# Altium PCB yard-ice.PcbDoc (part 1 of 3) (continued)
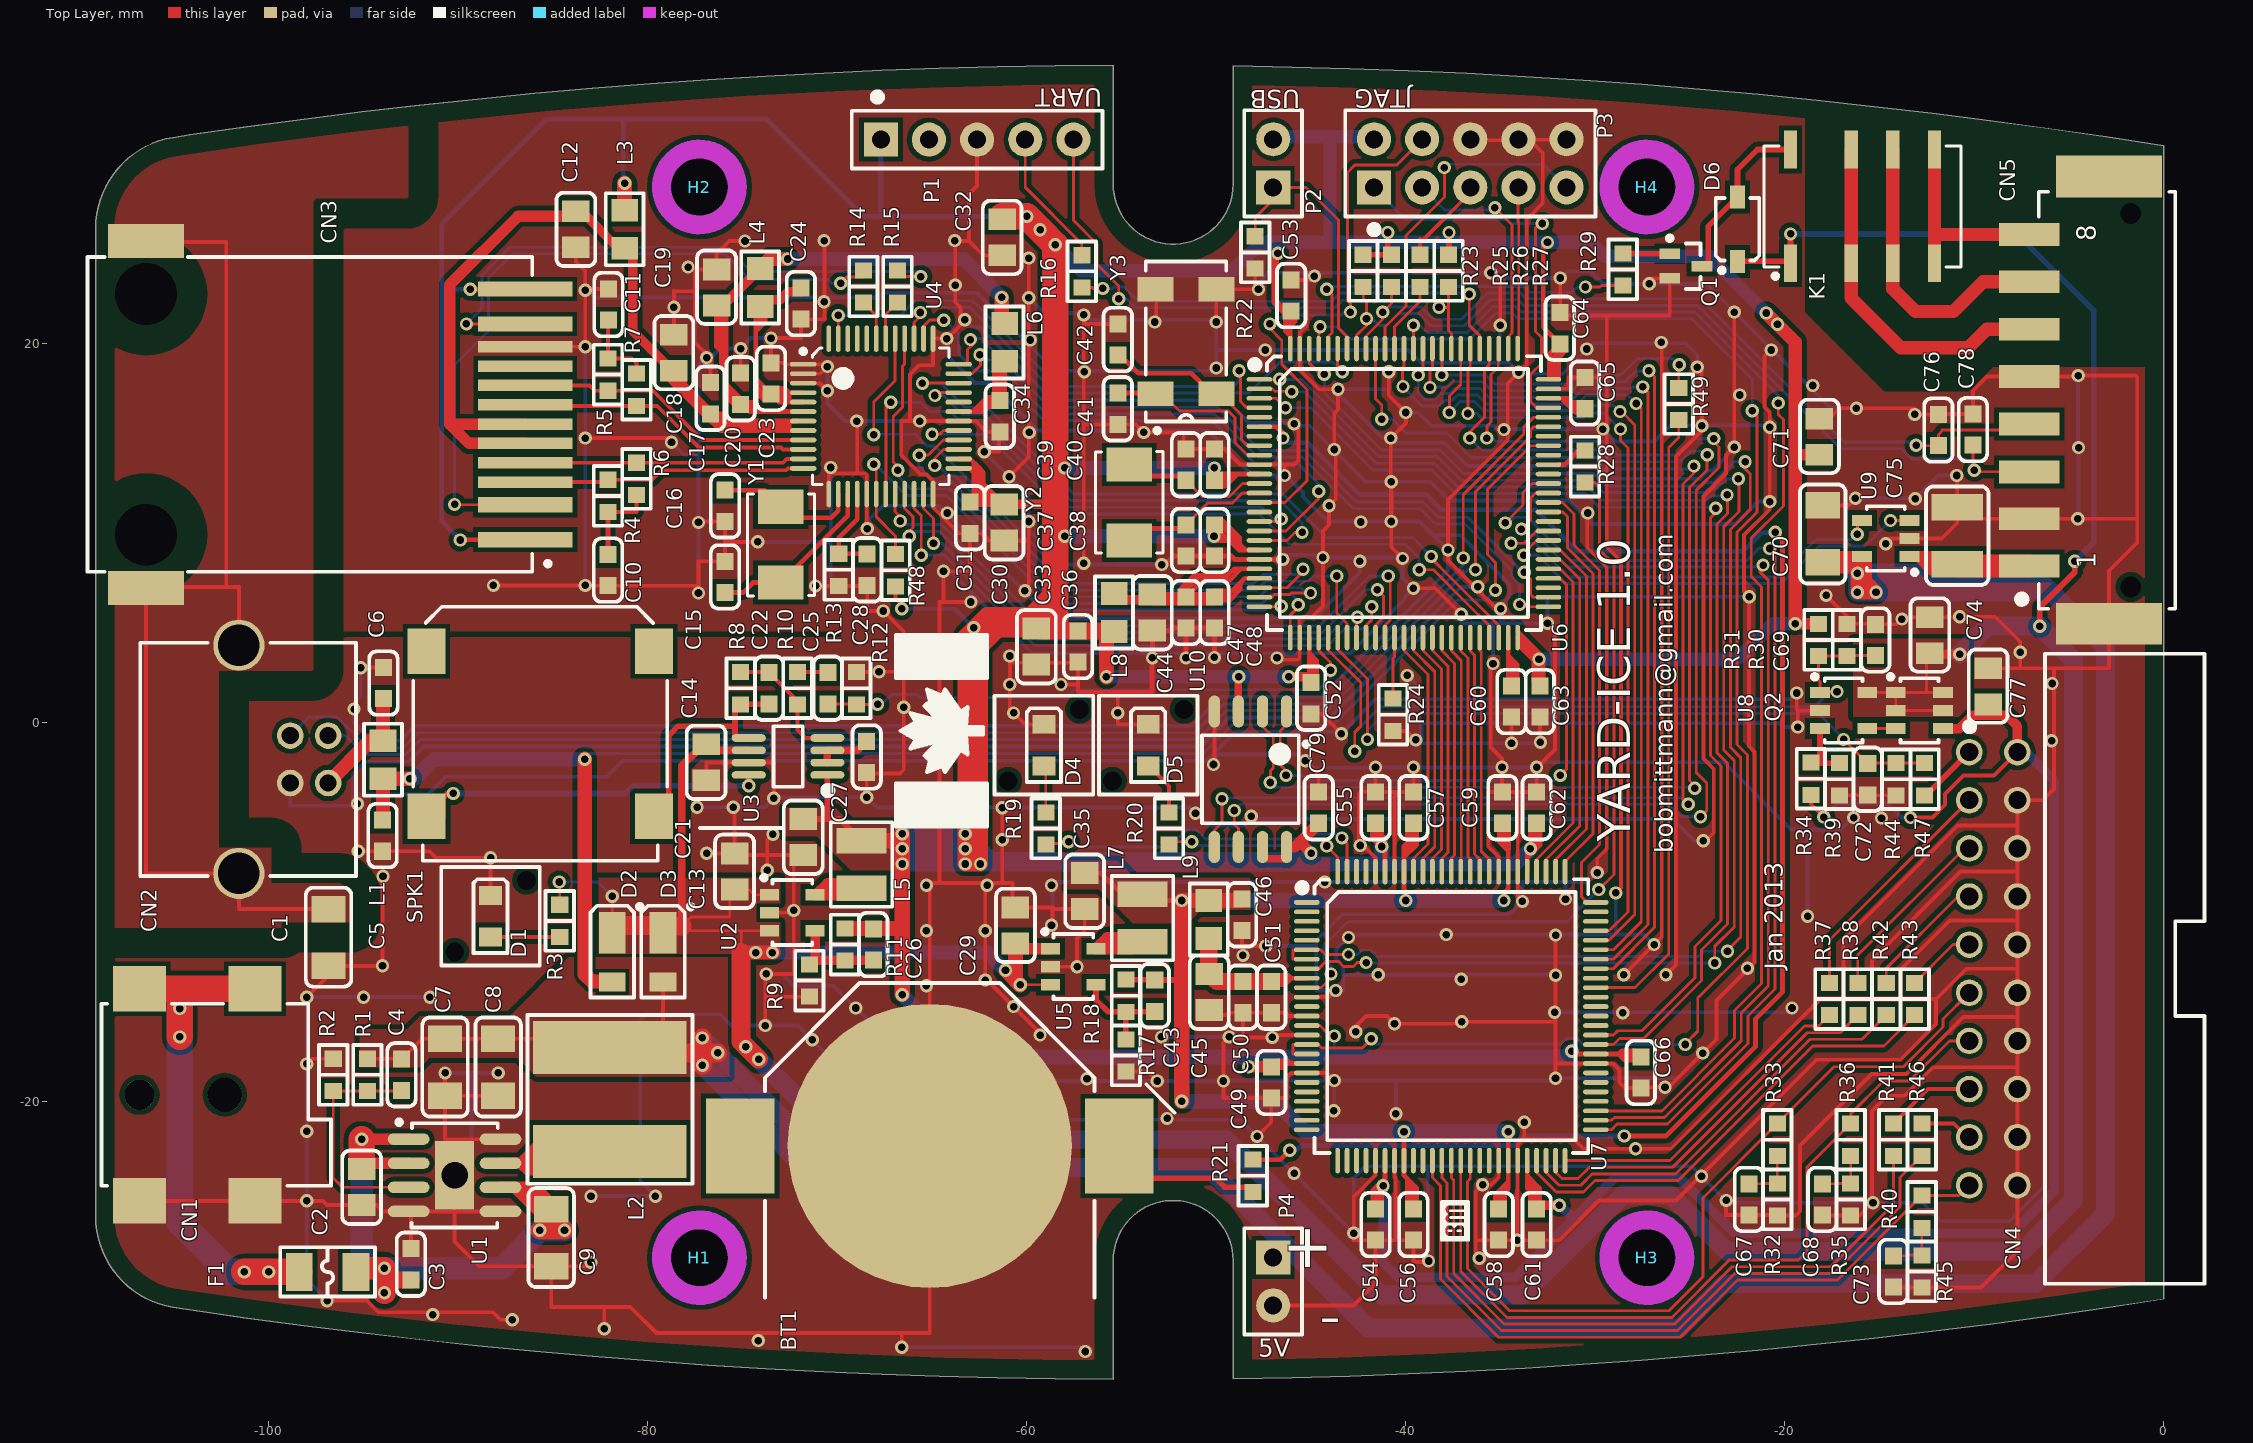
[diagram p0: Top Layer view]
## Footprints (in the part's own frame and the unit in brackets; to place one, negate y for a bottom-side part, rotate by r counter-clockwise, add the part's x,y. Pads: shape width x height; smd on the part's side, far side on the other; paste and mask are expansions set on the pad)
4-1734376 [mm] "USB Conn. Series B, 4P, R/A, THRU HOLE, W/ BACK SHELL"
  round 1.4 hole 0.9: 1(1.25,2.355) 2(-1.25,2.355) 3(-1.25,0.355) 4(1.25,0.355)
  round 2.7 hole 2.2: 5(6.02,-2.355) 6(-6.02,-2.355)
  silkscreen extent -6.15,-7.55 6.15,3.83, body extent -7.55,-12.63 7.55,3.77, height 11.31
48-TQFP [mm] "TSQFP, 48-Leads, Body 9.0x9.0mm (max), Pitch 0.50mm, IPC High Density"
  oval 1.4x0.25 smd: 1(-4.1,2.75) 2(-4.1,2.25) 3(-4.1,1.75) 4(-4.1,1.25) 5(-4.1,0.75) 6(-4.1,0.25) 7(-4.1,-0.25) 8(-4.1,-0.75) 9(-4.1,-1.25) 10(-4.1,-1.75) 11(-4.1,-2.25) 12(-4.1,-2.75) 25(4.1,-2.75) 26(4.1,-2.25) 27(4.1,-1.75) 28(4.1,-1.25) 29(4.1,-0.75) 30(4.1,-0.25) 31(4.1,0.25) 32(4.1,0.75) 33(4.1,1.25) 34(4.1,1.75) 35(4.1,2.25) 36(4.1,2.75)
  oval 0.25x1.4 smd: 13(-2.75,-4.1) 14(-2.25,-4.1) 15(-1.75,-4.1) 16(-1.25,-4.1) 17(-0.75,-4.1) 18(-0.25,-4.1) 19(0.25,-4.1) 20(0.75,-4.1) 21(1.25,-4.1) 22(1.75,-4.1) 23(2.25,-4.1) 24(2.75,-4.1) 37(2.75,4.1) 38(2.25,4.1) 39(1.75,4.1) 40(1.25,4.1) 41(0.75,4.1) 42(0.25,4.1) 43(-0.25,4.1) 44(-0.75,4.1) 45(-1.25,4.1) 46(-1.75,4.1) 47(-2.25,4.1) 48(-2.75,4.1)
  silkscreen extent -4.22,-3.6 3.6,3.6, body extent -4.5,-4.5 4.5,4.5, height 1.58
3012TR [mm] "CR1620 SMD Battery Holder"
  rect 3.6x5 smd: 1(-10,0) 1(10,0)
  round 15 smd paste-7.5 mask-0.3: 2(0,0)
  silkscreen extent -8.7,-8.6 8.7,8, body extent -8,-8 7.94,7.97, height 2
1778829 [mm] "8pos, 2.5mm Wire to Board Connector, Header, SMT, Right Angle"
  round 0 hole 1.1 unplated paste+0: 0(-9.85,-3.75) 0(9.85,-3.75)
  rect 1.2x3.2 smd: 1(-8.75,1.6) 2(-6.25,1.6) 3(-3.79,1.6) 4(-1.25,1.6) 5(1.25,1.6) 6(3.75,1.6) 7(6.25,1.6) 8(8.75,1.6)
  rect 2.2x5.6 smd: 9(-11.8,-2.6) 10(11.8,-2.6)
  silkscreen extent -11,-6.1 11,2.2, body extent -12.8,-6.6 12.8,2.9, height 5
ABM3-H [mm] "Miniature Ceramic SMD Crystal 5.0 X 3.2 X 1.3"
  rect 1.8x2.4 smd: 1(-2,0) 2(2,0)
  silkscreen extent -2.7,-1.78 2.68,1.78, body extent -2.5,-1.6 2.5,1.6, height 1.3
ABS25 [mm] "Low Profile, Heat Resistant Plastic Package"
  rect 1.3x1.9 smd: 1(-2.75,-1.6) 2(2.75,-1.6) 3(2.75,1.6) 4(-2.75,1.6)
  silkscreen extent -4.82,-2.12 4.23,2.12, body extent -4,-1.9 4,1.9, height 2.55
C0603M [mm] "Chip Capacitor, 2-Leads, Body 1.6x0.8mm, IPC Medium Density"
  rect 0.9x0.9 smd: 1(-0.825,0) 2(0.825,0)
  silkscreen extent -1.68,-0.75 1.68,0.75, body extent -0.83,-0.43 0.82,0.43, height 0.85
C0805M [mm] "Chip Capacitor, 2-Leads, Body 2.0x1.3mm, IPC Medium Density"
  rect 1.15x1.45 smd: 1(-0.95,0) 2(0.95,0)
  silkscreen extent -1.92,-1.02 1.95,1.02, body extent -1.07,-0.7 1.07,0.7, height 1.3
C1206M [mm] "Chip Capacitor, 2-Leads, Body 3.2x1.6mm, IPC Medium Density"
  rect 1.4x1.8 smd: 1(-1.5,0) 2(1.5,0)
  silkscreen extent -2.63,-1.2 2.6,1.2, body extent -1.6,-0.8 1.6,0.8, height 1.6
C1210M [mm] "Chip Capacitor, 2-Leads, Body 3.2x2.5mm, IPC Medium Density"
  rect 1.4x2.7 smd: 1(-1.5,0) 2(1.5,0)
  silkscreen extent -2.6,-1.65 2.6,1.65, body extent -1.6,-1.3 1.6,1.3, height 2.2
F1206L [mm] "Chip Fuse 1206 - Low Density"
  rect 1.4x2 smd: 1(-1.5,0) 2(1.5,0)
  silkscreen extent -2.5,-1.3 2.5,1.3, body extent -1.6,-0.8 1.6,0.8, height 0.6
"Hole NP 3.2x5.0x5.0" [mm] "3.2mm Hole Non Plated, 5.0mm Clearance Top and Bottom"
  round 0 hole 3.2 unplated: 0(0,0)
  Top Layer keep-out circle w1: c0,0 r2
  Bottom Layer keep-out circle w1: c0,0 r2
L8.0MMX8.0MM [mm] "Wire Wound Inductor, 2-Leads, Body 6.0x6.0mm"
  rect 2.8x8.1 smd: 1(-2.75,0) 2(2.75,0)
  silkscreen extent -4.45,-4.35 4.45,4.35, body extent -4,-4 4,4, height 4
L0805M [mm] "Chip Inductor, 2-Leads, Body 2.0x1.3mm, IPC Medium Density"
  rect 1.2x1.4 smd: 1(-1,0) 2(1,0)
  silkscreen extent -1.9,-1 1.9,1, body extent -1.07,-0.67 1.07,0.67, height 1
L1210M [mm] "Wire Wound Inductor, 2-Leads, Body 3.2x2.5mm, Medium Density"
  rect 1.35x2.65 smd: 1(-1.25,0) 2(1.25,0)
  silkscreen extent -2.22,-1.63 2.22,1.63, body extent -1.6,-1.25 1.6,1.25, height 1.55
"LED0805L LP" [mm] "Chip LED 0805 - With Light Pipe - Low Density"
  round 0 hole 1 unplated: 0(-1.89,1.89) 0(1.89,-1.89)
  rect 1x1.2 smd: 1(1.1,0) 2(-1.1,0)
  silkscreen extent -2.6,-2.6 2.6,2.6, body extent -1.03,-0.45 1.03,0.45, height 0.83
LQFP100 [mm] "TSQFP, 100-Leads, Body 16.2x16.2mm (max), Pitch 0.50mm, IPC High Density"
  oval 1.35x0.25 smd: 1(-7.625,6) 2(-7.625,5.5) 3(-7.625,5) 4(-7.625,4.5) 5(-7.625,4) 6(-7.625,3.5) 7(-7.625,3) 8(-7.625,2.5) 9(-7.625,2) 10(-7.625,1.5) 11(-7.625,1) 12(-7.625,0.5) 13(-7.625,0) 14(-7.625,-0.5) 15(-7.625,-1) 16(-7.625,-1.5) 17(-7.625,-2) 18(-7.625,-2.5) 19(-7.625,-3) 20(-7.625,-3.5) 21(-7.625,-4) 22(-7.625,-4.5) 23(-7.625,-5) 24(-7.625,-5.5) 25(-7.625,-6) 51(7.625,-6) 52(7.625,-5.5) 53(7.625,-5) 54(7.625,-4.5) 55(7.625,-4) 56(7.625,-3.5) 57(7.625,-3) 58(7.625,-2.5) 59(7.625,-2) 60(7.625,-1.5) 61(7.625,-1) 62(7.625,-0.5) 63(7.625,0) 64(7.625,0.5) 65(7.625,1) 66(7.625,1.5) 67(7.625,2) 68(7.625,2.5) 69(7.625,3) 70(7.625,3.5) 71(7.625,4) 72(7.625,4.5) 73(7.625,5) 74(7.625,5.5) 75(7.625,6)
  oval 0.25x1.35 smd: 26(-6,-7.625) 27(-5.5,-7.625) 28(-5,-7.625) 29(-4.5,-7.625) 30(-4,-7.625) 31(-3.5,-7.625) 32(-3,-7.625) 33(-2.5,-7.625) 34(-2,-7.625) 35(-1.5,-7.625) 36(-1,-7.625) 37(-0.5,-7.625) 38(0,-7.625) 39(0.5,-7.625) 40(1,-7.625) 41(1.5,-7.625) 42(2,-7.625) 43(2.5,-7.625) 44(3,-7.625) 45(3.5,-7.625) 46(4,-7.625) 47(4.5,-7.625) 48(5,-7.625) 49(5.5,-7.625) 50(6,-7.625) 76(6,7.625) 77(5.5,7.625) 78(5,7.625) 79(4.5,7.625) 80(4,7.625) 81(3.5,7.625) 82(3,7.625) 83(2.5,7.625) 84(2,7.625) 85(1.5,7.625) 86(1,7.625) 87(0.5,7.625) 88(0,7.625) 89(-0.5,7.625) 90(-1,7.625) 91(-1.5,7.625) 92(-2,7.625) 93(-2.5,7.625) 94(-3,7.625) 95(-3.5,7.625) 96(-4,7.625) 97(-4.5,7.625) 98(-5,7.625) 99(-5.5,7.625) 100(-6,7.625)
  silkscreen extent -8.07,-7.22 7.22,7.22, body extent -8,-8 8,8, height 1.61
MiniSO-8M [mm] "TSOP, 8-Leads, Body 3.2x3.1mm (max), Pitch 0.65mm, IPC Medium Density"
  oval 1.8x0.4 smd: 1(-2.075,0.975) 2(-2.075,0.325) 3(-2.075,-0.325) 4(-2.075,-0.975) 5(2.075,-0.975) 6(2.075,-0.325) 7(2.075,0.325) 8(2.075,0.975)
  silkscreen extent -2.3,-1.6 0.77,2, body extent -2.48,-1.6 2.48,1.6, height 1.1
MOD-J3 [mm] "Modular Jack, Right Angle, Fully Shielded, True SMT"
  round 0 hole 3.27 unplated: 0(-6.35,0) 0(6.35,0)
  rect 0.8x5 smd: 1(6.61,20) 2(4.77,20) 11(-4.77,20) 12(-6.61,20)
  rect 0.6x5 smd: 3(3.57,20) 4(2.55,20) 5(1.53,20) 6(0.51,20) 7(-0.51,20) 8(-1.53,20) 9(-2.55,20) 10(-3.57,20)
  rect 1.8x4 smd: 13(-9.15,0) 13(9.15,0)
  silkscreen extent -8.3,-3.1 8.3,21.32, body extent -8.05,-5.28 8.05,20.12, height 13.61
PJ-002A-SMT [mm] "2.0mm Surface Mount Power Jack"
  round 1.6 hole 1.6 unplated: 0(5,0)
  round 1.8 hole 1.8 unplated: 0(9.5,0)
  rect 2.8x2.4 smd: 1(5,5.6) 1(11.1,5.6) 2(5,-5.6) 3(11.1,-5.6)
  silkscreen extent 3,-4.8 15.1,4.8, body extent 0,-6.3 14.8,6.3, height 11.22
"PowerDI 123" [mm] "Molded Diode, 2-Leads"
  rect 1x1.4 smd: 1(1.6,0)
  rect 2.2x1.4 smd: 2(-1,0)
  silkscreen extent -2.5,-1.15 2.42,1.58, body extent -1.95,-0.96 1.95,0.96, height 1.02
PowerSO-8 [mm] "SOP 8 - Exposed Pad"
  oval 2.2x0.6 smd: 1(-2.425,1.905) 2(-2.425,0.635) 3(-2.425,-0.635) 4(-2.425,-1.905) 5(2.425,-1.905) 6(2.425,-0.635) 7(2.425,0.635) 8(2.425,1.905)
  rect 2.05x3.6 smd: 9(0,0)
  silkscreen extent -3.05,-2.75 2.27,2.92, body extent -2.9,-2.4 2.9,2.4, height 1.75
R0603M [mm] "Chip Resistor, 2-Leads, Body 1.6x0.8mm, IPC Medium Density"
  rect 0.85x0.9 smd: 1(-0.85,0) 2(0.85,0)
  silkscreen extent -1.58,-0.75 1.58,0.75, body extent -0.8,-0.4 0.8,0.4, height 0.45
Relay-10X6 [mm] "Relay 10mm X 6mm SMT Gull wings"
  rect 2x0.7 smd: 1(3,-3.8) 2(3,-0.6) 3(3,1.6) 4(3,3.8) 5(-3,3.8) 6(-3,1.6) 7(-3,-0.6) 8(-3,-3.8)
  silkscreen extent -3.2,-5.2 3.8,5.2, body extent -3.76,-5 3.76,5, height 5.65
SMS-1308MS-R [mm] "Loudspeaker 13mm X 13mm SMT"
  rect 2x2.4 smd: 0(-6,4.35) 0(6,4.35) 1(-6,-4.35) 2(6,-4.35)
  silkscreen extent -6.7,-6.7 6.7,6.7, body extent -6.5,-6.5 6.5,6.5, height 4
SOD-123 [mm] "Molded Diode, 2-Leads"
  rect 1.2x0.8 smd: 1(1.7,0) 2(-1.7,0)
  silkscreen extent -2.3,-1.15 1.65,1.15, body extent -1.92,-0.85 1.92,0.85, height 1.44
SOP2-8 [mm] "SOIC, 8-Leads, Body 5.1x5.1mm (max), Pitch 1.27mm, IPC Medium Density"
  oval 1.7x0.6 smd: 1(-3.575,1.905) 2(-3.575,0.635) 3(-3.575,-0.635) 4(-3.575,-1.905) 5(3.575,-1.905) 6(3.575,-0.635) 7(3.575,0.635) 8(3.575,1.905)
  silkscreen extent -2.32,-2.55 2.33,3.08, body extent -4.1,-2.7 4.1,2.7, height 2.1
SOT-25 [mm] "5-Lead Plastic Small Outline Transistor - Medium Density"
  rect 1.05x0.6 smd: 1(-1.25,0.95) 2(-1.25,0) 3(-1.25,-0.95) 4(1.25,-0.95) 5(1.25,0.95)
  silkscreen extent -1.65,-1.7 1,1.9, body extent -1.25,-1.5 1.25,1.5, height 1.09
SOT-26 [mm] "6-Lead Plastic Small Outline Transistor"
  rect 1.05x0.6 smd: 1(-1.25,0.95) 2(-1.25,0) 3(-1.25,-0.95) 4(1.25,-0.95) 5(1.25,0) 6(1.25,0.95)
  silkscreen extent -1.65,-1.7 1,1.9, body extent -1.17,-1.46 1.17,1.46, height 1
SOT-323 [mm] "SC-70/SOT323"
  rect 1.1x0.55 smd: 1(-0.85,0.65) 2(-0.85,-0.65) 3(0.85,0)
  silkscreen extent -0.97,-1.2 0.77,1.6, body extent -1.13,-1.12 1.12,1.12, height 1.13
TQFP-100 [mm] "TSQFP, 100-Leads, Body 16.2x16.2mm (max), Pitch 0.50mm, IPC High Density"
  oval 1.35x0.25 smd: 1(-7.625,6) 2(-7.625,5.5) 3(-7.625,5) 4(-7.625,4.5) 5(-7.625,4) 6(-7.625,3.5) 7(-7.625,3) 8(-7.625,2.5) 9(-7.625,2) 10(-7.625,1.5) 11(-7.625,1) 12(-7.625,0.5) 13(-7.625,0) 14(-7.625,-0.5) 15(-7.625,-1) 16(-7.625,-1.5) 17(-7.625,-2) 18(-7.625,-2.5) 19(-7.625,-3) 20(-7.625,-3.5) 21(-7.625,-4) 22(-7.625,-4.5) 23(-7.625,-5) 24(-7.625,-5.5) 25(-7.625,-6) 51(7.625,-6) 52(7.625,-5.5) 53(7.625,-5) 54(7.625,-4.5) 55(7.625,-4) 56(7.625,-3.5) 57(7.625,-3) 58(7.625,-2.5) 59(7.625,-2) 60(7.625,-1.5) 61(7.625,-1) 62(7.625,-0.5) 63(7.625,0) 64(7.625,0.5) 65(7.625,1) 66(7.625,1.5) 67(7.625,2) 68(7.625,2.5) 69(7.625,3) 70(7.625,3.5) 71(7.625,4) 72(7.625,4.5) 73(7.625,5) 74(7.625,5.5) 75(7.625,6)
  oval 0.25x1.35 smd: 26(-6,-7.625) 27(-5.5,-7.625) 28(-5,-7.625) 29(-4.5,-7.625) 30(-4,-7.625) 31(-3.5,-7.625) 32(-3,-7.625) 33(-2.5,-7.625) 34(-2,-7.625) 35(-1.5,-7.625) 36(-1,-7.625) 37(-0.5,-7.625) 38(0,-7.625) 39(0.5,-7.625) 40(1,-7.625) 41(1.5,-7.625) 42(2,-7.625) 43(2.5,-7.625) 44(3,-7.625) 45(3.5,-7.625) 46(4,-7.625) 47(4.5,-7.625) 48(5,-7.625) 49(5.5,-7.625) 50(6,-7.625) 76(6,7.625) 77(5.5,7.625) 78(5,7.625) 79(4.5,7.625) 80(4,7.625) 81(3.5,7.625) 82(3,7.625) 83(2.5,7.625) 84(2,7.625) 85(1.5,7.625) 86(1,7.625) 87(0.5,7.625) 88(0,7.625) 89(-0.5,7.625) 90(-1,7.625) 91(-1.5,7.625) 92(-2,7.625) 93(-2.5,7.625) 94(-3,7.625) 95(-3.5,7.625) 96(-4,7.625) 97(-4.5,7.625) 98(-5,7.625) 99(-5.5,7.625) 100(-6,7.625)
  silkscreen extent -8.07,-7.22 7.22,7.22, body extent -8,-8 8,8, height 1.61
TSOP-5 [mm] "SOT23, 5-Leads, Body 3.0x3.0mm (max), Pitch 0.95mm, IPC High Density"
  rect 1x0.6 smd: 1(-1.2,0.95) 2(-1.2,0) 3(-1.2,-0.95) 4(1.2,-0.95) 5(1.2,0.95)
  silkscreen extent -1.62,-1.7 1.05,1.97, body extent -1.25,-1.5 1.25,1.5, height 1.09
TST-110-04-G-D-RA [mm] "SHROUDED  .025\"  SQ  POST HEADER 2.54mm 2x5"
  round 1.4 hole 0.95: 1(-1.27,11.43) 2(1.27,11.43) 3(-1.27,8.89) 4(1.27,8.89) 5(-1.27,6.35) 6(1.27,6.35) 7(-1.27,3.81) 8(1.27,3.81) 9(-1.27,1.27) 10(1.27,1.27) 11(-1.27,-1.27) 12(1.27,-1.27) 13(-1.27,-3.81) 14(1.27,-3.81) 15(-1.27,-6.35) 16(1.27,-6.35) 17(-1.27,-8.89) 18(1.27,-8.89) 19(-1.27,-11.43) 20(1.27,-11.43)
  silkscreen extent -1.45,-16.63 11.15,16.63, body extent -1.6,-16.51 11.04,16.51, height 9.52
TSW-102-07-G-S [mm] ".025\"  SQ  POST HEADER 2.54mm 2x1"
  rect 1.8x1.8 hole 0.95: 1(-1.27,0)
  round 1.8 hole 0.95: 2(1.27,0)
  silkscreen extent -2.8,-1.53 2.8,1.53, body extent -2.54,-1.27 2.54,1.27, height 8.38
TSW-105-07-G-D [mm] ".025\"  SQ  POST HEADER 2.54mm 2x5"
  rect 1.8x1.8 hole 0.95: 1(-1.27,5.08)
  round 1.8 hole 0.95: 2(1.27,5.08) 3(-1.27,2.54) 4(1.27,2.54) 5(-1.27,0) 6(1.27,0) 7(-1.27,-2.54) 8(1.27,-2.54) 9(-1.27,-5.08) 10(1.27,-5.08)
  silkscreen extent -3.7,-6.6 2.8,6.6, body extent -2.54,-6.35 2.54,6.35, height 8.38
TSW-105-07-G-S [mm] ".025\"  SQ  POST HEADER 2.54mm 5 Positions"
  rect 1.8x1.8 hole 0.95: 1(-5.08,0)
  round 1.8 hole 0.95: 2(-2.54,0) 3(0,0) 4(2.54,0) 5(5.08,0)
  silkscreen extent -6.61,-1.53 6.61,2.45, body extent -6.35,-1.27 6.35,1.27, height 8.38

## Part data
BT1: library part 3012TR, "CR1620 SMD Battery Holder"
C1: library part C1206, "SMD Ceramic Chip Capacitor - 1206"
C2 C12 C13 C14 C18 C19 C21 C29 C30 C32 C33 C35 C44 C45 C71 C74 C77: library part C0805, "SMD Ceramic Chip Capacitor - 0805 - X7R"
C3 C5 C6 C10 C11 C17 C20 C23 C24 C25 C27 C31 C34 C36 C38 C40 C46 C47 C48 C49 C50 C51 C52 C53 C54 C55 C56 C57 C58 C59 C60 C61 C62 C63 C64 C65 C66 C72 C79: library part C0603, "SMD Ceramic Chip Capacitor - 0603 - X7R"
C4 C15 C16 C22 C26 C28 C37 C39 C41 C42 C43 C67 C68 C69 C73 C76 C78: library part C0603, "SMD Ceramic Chip Capacitor - 0603"
C7 C8 C9 C70: library part C1206, "SMD Ceramic Chip Capacitor - 1206 - X7R"
C75: library part C12010, "SMD Ceramic Chip Capacitor - 1210 - X7R"
CN1: library part PJ-002A-SMT, "Low Voltage Power Supply Connector"
CN2: library part 4-1734376, "USB Type B - Right Angle - Thru Hole"
CN3: library part J3011G21DNL, "10/100Base-TX surface mount RJ45"
CN4: library part "Header 10X2", "Shrouded Header, 20 Pos, Right Angle"
CN5: library part "Combicon SMT 8", "Terminal Block, Header, 8-Pos"
D1 D4 D5: library part LED0805LP, "LED SMD 0805"
D2 D3: library part SBR3U30P1, "Super Barrier Rectifier"
D6: library part 1N4148W, "Schottky Barrier Diode"
F1: library part F1206, "SMD Fuse, 1A, Slow, 63VDC, 1206"
K1: library part Relay-DPDT, "Dual-Pole Dual-Throw Relay"
L1: library part L0805, "SMD Chip Inductor - 0805"
L2: library part L8.0X8.0, "SMT Power Inductor 8.0X8.0mm"
L3 L4 L6 L8 L9: library part L0805, "SMD Ferrite Bead 0805"
L5 L7: library part L1210, "SMD Wire Wound Inductor -  1210 (3225 metric)"
P1: library part "Header 5", "Header, 5-Pin"
P2 P4: library part "Header 2", "Header, 2-Pin"
P3: library part "Header 5X2", "Socket 5-Pin, Dual row"
Q1: library part BC847CW, "NPN General-purpose Transistor"
Q2: library part PMN34UN,135, "N-Channel MOSFET 30V 4.9A 6TSOP"
R1 R2 R3 R4 R5 R6 R7 R8 R9 R10 R11 R12 R13 R14 R15 R16 R17 R18 R19 R20 R21 R22 R23 R24 R25 R26 R27 R28 R29 R30 R31 R32 R33 R34 R35 R36 R37 R38 R39 R40 R41 R42 R43 R44 R45 R46 R47 R48 R49: library part R0603, "SMD Chip Resistor - 0603"
SPK1: library part SMS-1308MS-R, "Loudspeaker"
U1: library part ST1S10, "3A, 900kHZ, monolithic synchronous step-down regulator"
U2 U5: library part NCP1521BSNT1G, "1.5 MHz, 600 mA Step-Down  DC-DC Converter"
U3: library part TS4990IST, "1.2 W audio power amplifier with active-low standby mode"
U4: library part KSZ8041TL, "10Base-T/100Base-TX Physical Layer Transceiver"
U6: library part STM32F407VET6
U7: library part EP1C3T100C8N, "Cyclone FPGA"
U8: library part LMV321WG-7, "General Purpose, Low Voltage, Rail-to-Rail Output Operational Amplifier"
U9: library part AP2171W, "1A SINGLE CHANNEL CURRENT-LIMITED POWER  SWITCH"
U10: library part N25Q128A13ESE40G, "128Mb, 3V, Serial Flash Memory"
Y1 Y2: library part ABM3, "Miniature Ceramic SMD Crystal"
Y3: library part ABS25, "SMD Low Frequency Crystal"

## Via types
v1: diameter 0.7, hole 0.4, Top Layer to Bottom Layer, 444 vias
v2: diameter 1.8, hole 1.4, Top Layer to Bottom Layer, tented top, 1 vias

## Nets (pads, with @x,y where several pads share a name; then routed paths per layer and width w, separated by ;. In a path a pad name is that pad's centre, name@x,y a point inside that pad or via, vN(x,y) a via of type N, cw(c..) or ccw(c..) an arc to the next point about the centre after c; other vN are vias at no path point)
+12V: C2.1 C3.1 C9.1 F1.2 U1.1 U1.2 U1.6 | length 38.9
  Top Layer w0.6: C2.1@-95.085,-23.265 U1.2@-92.625,-23.265 ; v1@-95.005,-21.995 U1.1@-92.625,-21.995 ; U1.6@-87.775,-24.535 -86.45,-24.535 -86.45,-24.525 -86.175,-24.8 ; U1.6@-86.975,-24.6 -85.575,-26 C9.1@-85.275,-25.7 ; C9.1@-85.1,-25.7 C9.1@-85.275,-25.7 ; C9.1@-85,-25.5 -85.7,-24.8 -86.175,-24.8 ; -86.175,-24.8 C9.1@-85.275,-25.7
  Top Layer w0.75: -93.9,-29.4 -93.875,-29.425
  Top Layer w0.9: -93.875,-29.425 C3.1@-92.5,-29.425
  Top Layer w1: v1(-85.7,-26.8) -85.2,-26.8 ; C9.1@-85.1,-25.7 -85.2,-25.8 -85.2,-26.8 ; v1(-84.4,-26.8) -85.2,-26.8
  Top Layer w1.2: F1.2@-95.2,-28.8 v1(-93.9,-28.8) -93.9,-29.4 v1(-93.9,-30.1)
  Top Layer w1.4: C2.1@-95.1,-23.25 v1(-95.1,-21.995)
  Bottom Layer w1.2: v1(-95.1,-21.995) -95.1,-28.2 -94.5,-28.8 v1(-93.9,-28.8) ; v1(-93.9,-30.1) v1(-93.9,-28.8) ; v1(-84.4,-26.8) v1(-85.7,-26.8) -87.7,-28.8 v1(-93.9,-28.8)
ADC12_IN6: C72.1 R44.1 R47.2 U6.31 | length 37.4
  Top Layer w0.15: U6.31@-43.6,4.475 -43.6,3.859 -42.027,2.286 v1(-42.027,-0.9) ; v1(-16.9,-0.9) C72.1@-15.625,-2.175 -15.45,-2.175 -15.425,-2.15 R47.2@-12.625,-2.15
  Bottom Layer w0.15: v1(-42.027,-0.9) -42.027,-0.427 -41.125,0.475 -18.28,0.475 -18.255,0.5 -18.25,0.5 v1@-16.875,-0.875
ADC123_IN10: U6.15
BOOT0: P2.1 R22.2 U6.94 | length 14.1
  Top Layer w0.15: R22.2@-47.95,25.65 -47.95,26.65 -47,27.6 P2.1@-47,28.23 -45.275,28.23 -43.55,26.505 -43.55,20.8 -43.1,20.35 U6.94@-43.1,19.725
BOOT1: R24.2 U6.37 | length 3.3
  Top Layer w0.15: R24.2@-40.675,1.25 -40.675,3.375 -40.6,3.45 U6.37@-40.6,4.475
DAC1_OUT: C25.1 R12.2 U6.29 | length 29.7
  Top Layer w0.15: C25.1@-70.5,0.975 -69.025,0.975 R12.2@-69,0.95 v1@-67.9,0.95 ; U6.29@-44.6,4.475 -44.6,3.775 -43.977,3.152 v1(-43.977,2.75)
  Bottom Layer w0.15: v1@-67.925,0.95 -67.675,0.95 -67.15,1.475 -65.775,1.475 -65.6,1.3 -57.925,1.3 -57.5,1.725 -44.611,1.725 -43.975,2.361 -43.975,2.75 v1(-43.977,2.75)
  other v1: -67.875,0.95
DAC2_OUT: C69.1 R30.2 R31.1 U6.30 U8.1 | length 40.1
  Top Layer w0.15: U6.30@-44.1,4.475 -44.1,3.825 -42.377,2.102 -42.377,-0.202 -42.7,-0.525 v1(-42.7,-1.525) ; v1(-17.25,1.625) -17.3,1.575 U8.1@-18.15,1.575 -18.15,2.15 -18.225,2.225 R31.1@-18.225,3.5 R30.2@-16.725,3.5 -16.7,3.525 C69.1@-15.225,3.525
  Bottom Layer w0.15: v1(-42.7,-1.525) -42.7,-0.525 -41.35,0.825 -18.425,0.825 -17.625,1.625 v1(-17.25,1.625)
DBGACK/RX: CN4.19 R40.1 U7.36 | length 38.6
  Top Layer w0.15: U7.36@-38.6,-23.125 -38.6,-24.025 -38.175,-24.45 -38.175,-29.38 -35.106,-32.449 -25.524,-32.449 -22.5,-29.425 -17.225,-29.425 R40.1@-12.775,-24.975 ; R40.1@-12.425,-24.975 -10.815,-24.975 CN4.19@-10.27,-24.43
DBGRQ/TX: CN4.17 R46.1 | length 2.8
  Top Layer w0.2: R46.1@-12.775,-21.175 -11.09,-21.175 -10.375,-21.89 CN4.17@-10.27,-21.89
ETH_1.8: C19.1 C20.1 L4.2 L6.2 U4.6 | length 36.7
  Top Layer w0.25: C19.1@-76.35,21.775 -76.375,21.75 -76.375,19.825 -76.125,19.575 ; C19.1@-76.025,22 C19.1@-76.375,22 -76.125,21.75 -76.125,19.575 ; -75.9,19.35 -76.125,19.575 ; C19.1@-75.9,22 -75.875,21.975 -75.875,18.7 ; C20.1@-75.4,16.7 -75.875,17.175 -75.875,17.5 ; C20.1@-75.275,16.9 -75.875,17.5 ; C20.1@-74.925,16.875 -74.425,16.875 -73.95,16.4 U4.6@-71.8,16.4 ; -74.563,16.688 -74.275,16.4 -74.025,16.4 ; -74.35,16.4 -74.625,16.4 -75.1,16.875 -75.1,17.065 -75.875,17.84 ; -76.125,19.575 -76.125,18.95 -75.875,18.7 ; -75.875,17.5 -75.875,17.84 ; -75.875,17.84 -75.875,18.7
  Top Layer w0.5: C19.1@-76.025,22 L4.2@-74.075,23.95
  Top Layer w0.75: L4.2@-74.075,23.95 -73.575,24.45 v1(-72.625,24.45) ; L6.2@-61.325,21.375 v1(-61.325,22.425)
  Bottom Layer w0.75: v1(-72.625,24.45) -63.35,24.45 v1(-61.325,22.425)
ETH_1.8A: C23.1 C24.1 L4.1 U4.4 U4.5 | length 17.2
  Top Layer w0.25: L4.1@-74.3,21.725 -74.3,20.975 ; L4.1@-74.05,21.625 -74.05,21.225 -74.3,20.975 ; C23.1@-73.85,17 -74.3,17.45 -74.3,17.775 ; L4.1@-73.8,21.6 -73.8,21.15 -74.3,20.65 ; C23.1@-73.675,17.15 -74.3,17.775 ; C23.1@-73.475,17.125 C23.1@-73.3,17.125 ; C23.1@-73.45,17.625 -72.775,17.625 -72.55,17.4 ; C23.1@-73.375,17.375 -72.8,17.375 -72.55,17.125 ; U4.5@-71.8,16.9 -72.55,16.9 ; U4.4@-71.8,17.4 -72.55,17.4 ; -74.3,17.775 -74.3,18.125 ; -74.3,18.125 -74.3,20.65 ; -74.3,18.125 C23.1@-73.5,17.325 C23.1@-73.3,17.125 ; -74.3,20.65 -74.3,20.975 ; C23.1@-73.3,17.125 -73.075,16.9 -72.55,16.9 ; C23.1@-73.3,17.125 -72.775,17.125 -72.55,16.9 ; -72.55,16.9 -72.55,17.125 ; -72.55,17.125 -72.55,17.4
  Top Layer w0.5: L4.1@-74.075,22.3 -73.025,22.3 -72.6,22.725 C24.1@-71.925,22.725
ETH_1.8D: C34.1 L6.1 U4.31 | length 8.1
  Top Layer w0.25: U4.31@-63.6,16.4 -62.85,16.4 ; C34.1@-61.275,16.975 C34.1@-61.275,17.15 ; C34.1@-61.225,17.15 C34.1@-61.275,17.15 ; C34.1@-61.2,16.65 -62.025,16.65 -62.275,16.4 -62.575,16.4 ; C34.1@-61.2,16.9 -62.075,16.9 -62.575,16.4 ; -62.85,16.4 -62.1,17.15 C34.1@-61.275,17.15 ; -62.85,16.4 -62.575,16.4
  Top Layer w0.8: C34.1@-61.45,17.15 L6.1@-61.45,19.05
ETH_3.3A: C12.1 C17.1 C18.1 CN3.5 CN3.6 L3.2 U4.7 U4.8 | length 70.6
  Top Layer w0.25: C12.1@-83.8,26.975 -83.675,26.975 -81.725,25.025 L3.2@-81.4,25.025 ; C12.1@-83.525,27.15 L3.2@-81.4,25.025 ; L3.2@-80.925,24.625 -80.925,20.6 -78.875,18.55 C18.1@-78.625,18.55 ; C18.1@-78.95,18.125 -77.1,16.275 C17.1@-76.8,16.275 ; C18.1@-78.625,18.65 -80.675,20.7 -80.675,24.475 L3.2@-81.225,25.025 L3.2@-81.4,25.025 ; -78.525,17.7 C18.1@-78.525,18.275 ; C18.1@-78.275,18.45 -78.275,17.75 C17.1@-76.8,16.275 ; C18.1@-78.05,18.8 -78.05,17.85 -76.7,16.5 C17.1@-76.7,16.275 ; C17.1@-76.65,15.9 -75.6,15.9 ; C17.1@-76.45,16.075 -75.8,16.075 ; -72.625,15.65 -76.425,15.65 ; U4.7@-72.4,15.9 -72.55,15.9 ; U4.7@-72.375,15.9 U4.7@-72.125,15.9 ; U4.8@-71.8,15.4 -72.375,15.4 -72.55,15.4 ; C17.1@-76.8,16.275 C17.1@-76.7,16.275 ; C17.1@-76.7,16.275 -76.7,15.925 -76.425,15.65 ; C17.1@-76.7,16.275 -75.975,16.275 -75.6,15.9 ; -76.425,15.65 -76.175,15.4 -73.65,15.4 -72.55,15.4 ; -75.6,15.9 -72.55,15.9 ; -72.55,15.4 -72.55,15.9
  Top Layer w0.6: CN3.5@-86.475,14.72 -89.43,14.72 -90.45,15.74 ; CN3.6@-86.475,15.74 -90.45,15.74 ; C12.1@-83.8,26.975 -84.075,26.7 -86.85,26.7 -90.45,23.1 -90.45,15.74
ETH_MDC: U4.19 U6.16 | length 29.3
  Top Layer w0.15: U4.19@-67.45,12.05 -67.428,12.072 -67.428,16.644 v1(-67.185,16.888) ; U6.16@-47.725,10.6 -46.703,10.6 v1(-46.577,10.726)
  Bottom Layer w0.15: v1(-67.185,16.888) -65.613,16.888 -65.125,16.4 -64.04,16.4 -63.565,15.925 -62.39,15.925 -57.815,11.35 -47.605,11.35 -46.981,10.726 v1(-46.577,10.726)
ETH_MDIO: R48.1 U4.18 U6.25 | length 31.4
  Top Layer w0.15: v1(-68.075,13.625) -68.075,13.679 -68.053,13.701 -67.95,13.597 U4.18@-67.95,12.05 -67.95,10.85 -66.925,9.825 R48.1@-66.925,8.875 ; U6.25@-47.725,6.1 -46.6,6.1 v1(-46.575,6.125)
  Bottom Layer w0.15: v1(-68.075,13.625) -68.075,13.679 -68.053,13.701 -68.053,13.667 -66.361,11.975 -64.241,11.975 -58.191,5.925 -47.435,5.925 -47.235,6.125 v1(-46.575,6.125)
ETH_MII_COL: U4.40 U6.26 | length 34
  Top Layer w0.15: v1@-66.825,13.3 -66.825,13.516 -67.05,13.741 -67.05,16.139 -66.56,16.629 -66.56,18.79 -66.45,18.9 U4.40@-66.45,20.25 ; v1@-66.824,13.301 v1(-66.803,13.301) ; U6.26@-46.1,4.475 -46.1,5.65 -45.675,6.075 v1(-45.675,6.2)
  Bottom Layer w0.15: v1@-66.825,13.3 -66.825,13.025 -66.125,12.325 -64.096,12.325 -58.046,6.275 -47.58,6.275 -47.105,6.75 -46.025,6.75 -45.675,6.4 v1(-45.675,6.2) ; v1@-66.824,13.301 v1(-66.803,13.301)
ETH_MII_CRS: U4.41 U6.23 | length 34.5
  Top Layer w0.15: v1(-68.075,15.175) -68.075,16.9 -66.95,18.025 U4.41@-66.95,20.25 ; U6.23@-47.725,7.1 -46.275,7.1 -45.427,7.948 v1(-45.427,8.075)
  Bottom Layer w0.15: v1(-68.075,15.175) -68.05,15.2 -65.884,15.2 -65.259,14.575 -64.861,14.575 -57.611,7.325 -48.015,7.325 -47.54,7.8 -45.88,7.8 ; -45.88,7.8 -45.702,7.8 v1(-45.427,8.075)
ETH_MII_RX_CLK: U4.28 U6.24 | length 29.7
  Top Layer w0.15: v1@-65.703,14.1 -65.2,14.1 -64.4,14.9 U4.28@-63.6,14.9 ; U6.24@-47.725,6.6 -47.075,6.6 -46.925,6.75 -46.13,6.75 -46.055,6.825 v1(-45.027,6.825)
  Bottom Layer w0.15: v1(-65.675,14.1) -65.703,14.1 -65.703,13.516 -64.861,12.675 -63.951,12.675 -57.901,6.625 -47.725,6.625 -47.25,7.1 -45.525,7.1 -45.25,6.825 v1(-45.027,6.825)
ETH_MII_RX_DV: U4.27 U6.32 | length 29.6
  Top Layer w0.15: v1(-64.853,13.551) -64.853,13.952 -64.405,14.4 U4.27@-63.6,14.4 ; v1(-43.65,7.725) -43.65,5.764 -43.1,5.214 U6.32@-43.1,4.475
  Bottom Layer w0.15: v1(-64.853,13.551) -64.68,13.551 -64.154,13.025 -63.806,13.025 -57.756,6.975 -47.87,6.975 -47.395,7.45 -45.735,7.45 ; -45.735,7.45 -45.168,7.45 -44.896,7.723 -43.652,7.723 v1(-43.65,7.725)
ETH_MII_RX_ER: U4.29 U6.47 | length 36.2
  Top Layer w0.15: v1@-65.049,15.2 -64.6,15.2 -64.4,15.4 U4.29@-63.6,15.4 ; v1(-39.3,8.05) -38.545,8.05 -36.82,6.325 -36.818,6.325 -35.6,5.107 U6.47@-35.6,4.475
  Bottom Layer w0.15: v1@-65.049,15.2 -62.16,15.2 -57.96,11 -47.75,11 -46.15,9.4 -40.025,9.4 -39.3,8.675 v1(-39.3,8.05)
  other v1: -65,15.2
ETH_MII_RXD0: U4.23 U6.33 | length 28.9
  Top Layer w0.15: U4.23@-65.45,12.05 -65.45,11.29 -64.925,10.765 v1(-64.925,9.45) ; U6.33@-42.6,4.475 -42.6,5.275 -42.552,5.323 v1(-42.552,5.55)
  Bottom Layer w0.15: v1(-64.925,9.45) -64.49,9.45 -59.44,4.4 -44.26,4.4 -43.11,5.55 v1(-42.552,5.55)
ETH_MII_RXD1: U4.22 U6.34 | length 32.2
  Top Layer w0.15: U4.22@-65.95,12.05 -65.95,11.295 -65.573,10.918 -65.573,8.827 v1(-65.575,8.825) ; U6.34@-42.1,4.475 -42.1,5.118 -42.086,5.132 -42.084,5.132 -41.802,5.414 v1@-41.802,6.123
  Bottom Layer w0.15: v1(-65.575,8.825) -64.36,8.825 -59.585,4.05 -44.115,4.05 -43.24,4.925 -42.293,4.925 -41.802,5.416 v1@-41.802,6.123
  other v1: -41.802,6.1
ETH_MII_RXD2: U4.21 U6.35 | length 33.3
  Top Layer w0.15: U4.21@-66.45,12.05 -66.45,11.3 -66,10.85 -66,10.275 -66.198,10.077 -66.198,9.827 v1(-66.2,9.825) ; U6.35@-41.6,4.475 -41.6,5.121 -41.175,5.546 -41.175,6.673 v1(-41.502,7)
  Bottom Layer w0.15: v1(-66.2,9.825) -65.95,10.075 -64.62,10.075 -59.295,4.75 -44.405,4.75 -42.155,7 v1(-41.502,7)
ETH_MII_RXD3: U4.20 U6.36 | length 34.1
  Top Layer w0.15: U4.20@-66.95,12.05 -66.95,11.125 -66.678,10.853 v1(-66.678,10.626) ; U6.36@-41.1,4.475 -41.1,5.125 -40.825,5.4 -40.825,7.625 v1(-40.925,7.725)
  Bottom Layer w0.15: v1(-66.678,10.626) -66.503,10.45 -64.5,10.45 -59.15,5.1 -44.55,5.1 -41.925,7.725 v1(-40.925,7.725)
ETH_MII_TX_CLK: U4.33 U6.18 | length 26.4
  Top Layer w0.15: v1(-64.85,17.25) -64.7,17.4 U4.33@-63.6,17.4 ; U6.18@-47.725,9.6 -46.275,9.6 -45.85,10.025 v1(-45.475,10.025)
  Bottom Layer w0.15: v1(-64.85,17.25) -64.395,17.25 -63.42,16.275 -62.245,16.275 -57.67,11.7 -46.645,11.7 -45.475,10.53 v1(-45.475,10.025)
ETH_MII_TX_EN: U4.34 U6.48 | length 38.3
  Top Layer w0.15: v1(-65.51,17.888) -65.51,17.895 -65.515,17.9 U4.34@-63.6,17.9 ; v1(-38.657,8.756) -38.657,8.657 -37.7,7.7 -37.698,7.7 -35.1,5.102 U6.48@-35.1,4.475
  Bottom Layer w0.15: v1(-65.51,17.888) -65.51,17.891 -65.519,17.9 -64.55,17.9 -63.275,16.625 -62.1,16.625 -57.525,12.05 -46.5,12.05 -44.2,9.75 -39.651,9.75 v1(-38.657,8.756)
ETH_MII_TXD0: U4.35 U6.51 | length 38.2
  Top Layer w0.15: U4.35@-63.6,18.4 -62.9,18.4 -62.453,18.847 v1@-62.453,19.401 ; v1(-34,6.225) -33.875,6.1 U6.51@-32.475,6.1
  Bottom Layer w0.15: v1@-62.453,19.401 -62.403,19.401 -62.403,19.328 -62.201,19.126 -61.806,19.126 -58.955,16.275 -50.095,16.275 -47.82,14 -45.852,14 -45.488,14 -42.763,11.275 -39.236,11.275 -38.436,10.475 -36.875,10.475 -34.425,8.025 -34.425,7.711 -34,7.286 v1(-34,6.225)
  other v1: -62.475,19.4
ETH_MII_TXD1: U4.36 U6.52 | length 38.2
  Top Layer w0.15: U4.36@-63.6,18.9 -63.125,18.9 -63.125,19.675 v1@-62.875,19.925 ; v1(-33.755,7.925) -33.8,7.925 -33.425,7.55 -33.425,6.75 -33.275,6.6 U6.52@-32.475,6.6
  Bottom Layer w0.15: v1@-62.877,20.25 -62.425,20.25 -58.8,16.625 -49.95,16.625 -47.675,14.35 -45.707,14.35 -45.343,14.35 -42.618,11.625 -39.091,11.625 -38.291,10.825 -36.73,10.825 -33.83,7.925 v1(-33.755,7.925)
  other v1: -62.978,20.201
ETH_MII_TXD2: U4.38 U6.17 | length 30.5
  Top Layer w0.15: U4.38@-65.45,20.25 -65.45,20.9 -65.125,21.225 v1(-64.378,21.226) ; U6.17@-47.725,10.1 -46.319,10.1 -44.6,11.819 -44.6,12.175 -44.575,12.2 v1(-44.6,12.2)
  Bottom Layer w0.15: v1(-64.378,21.226) -64.319,21.226 -63.603,20.51 -63.603,19.453 -62.7,18.55 -61.725,18.55 -59.1,15.925 -50.24,15.925 -47.965,13.65 -45.675,13.65 -44.6,12.575 v1(-44.6,12.2)
ETH_MII_TXD3: U4.39 U6.95 | length 28
  Top Layer w0.15: U4.39@-65.95,20.25 -65.95,21.1 -65.628,21.422 v1(-65.628,21.626) ; U6.95@-43.6,19.725 -43.6,18.75 v1(-43.35,18.5)
  Bottom Layer w0.15: v1(-65.628,21.626) -65.353,21.901 -63.015,21.901 -58.489,17.375 -48.275,17.375 -46.625,19.025 -43.875,19.025 v1(-43.35,18.5)